# Altium PCB GL3520 4 Ports.PcbDoc (continued)
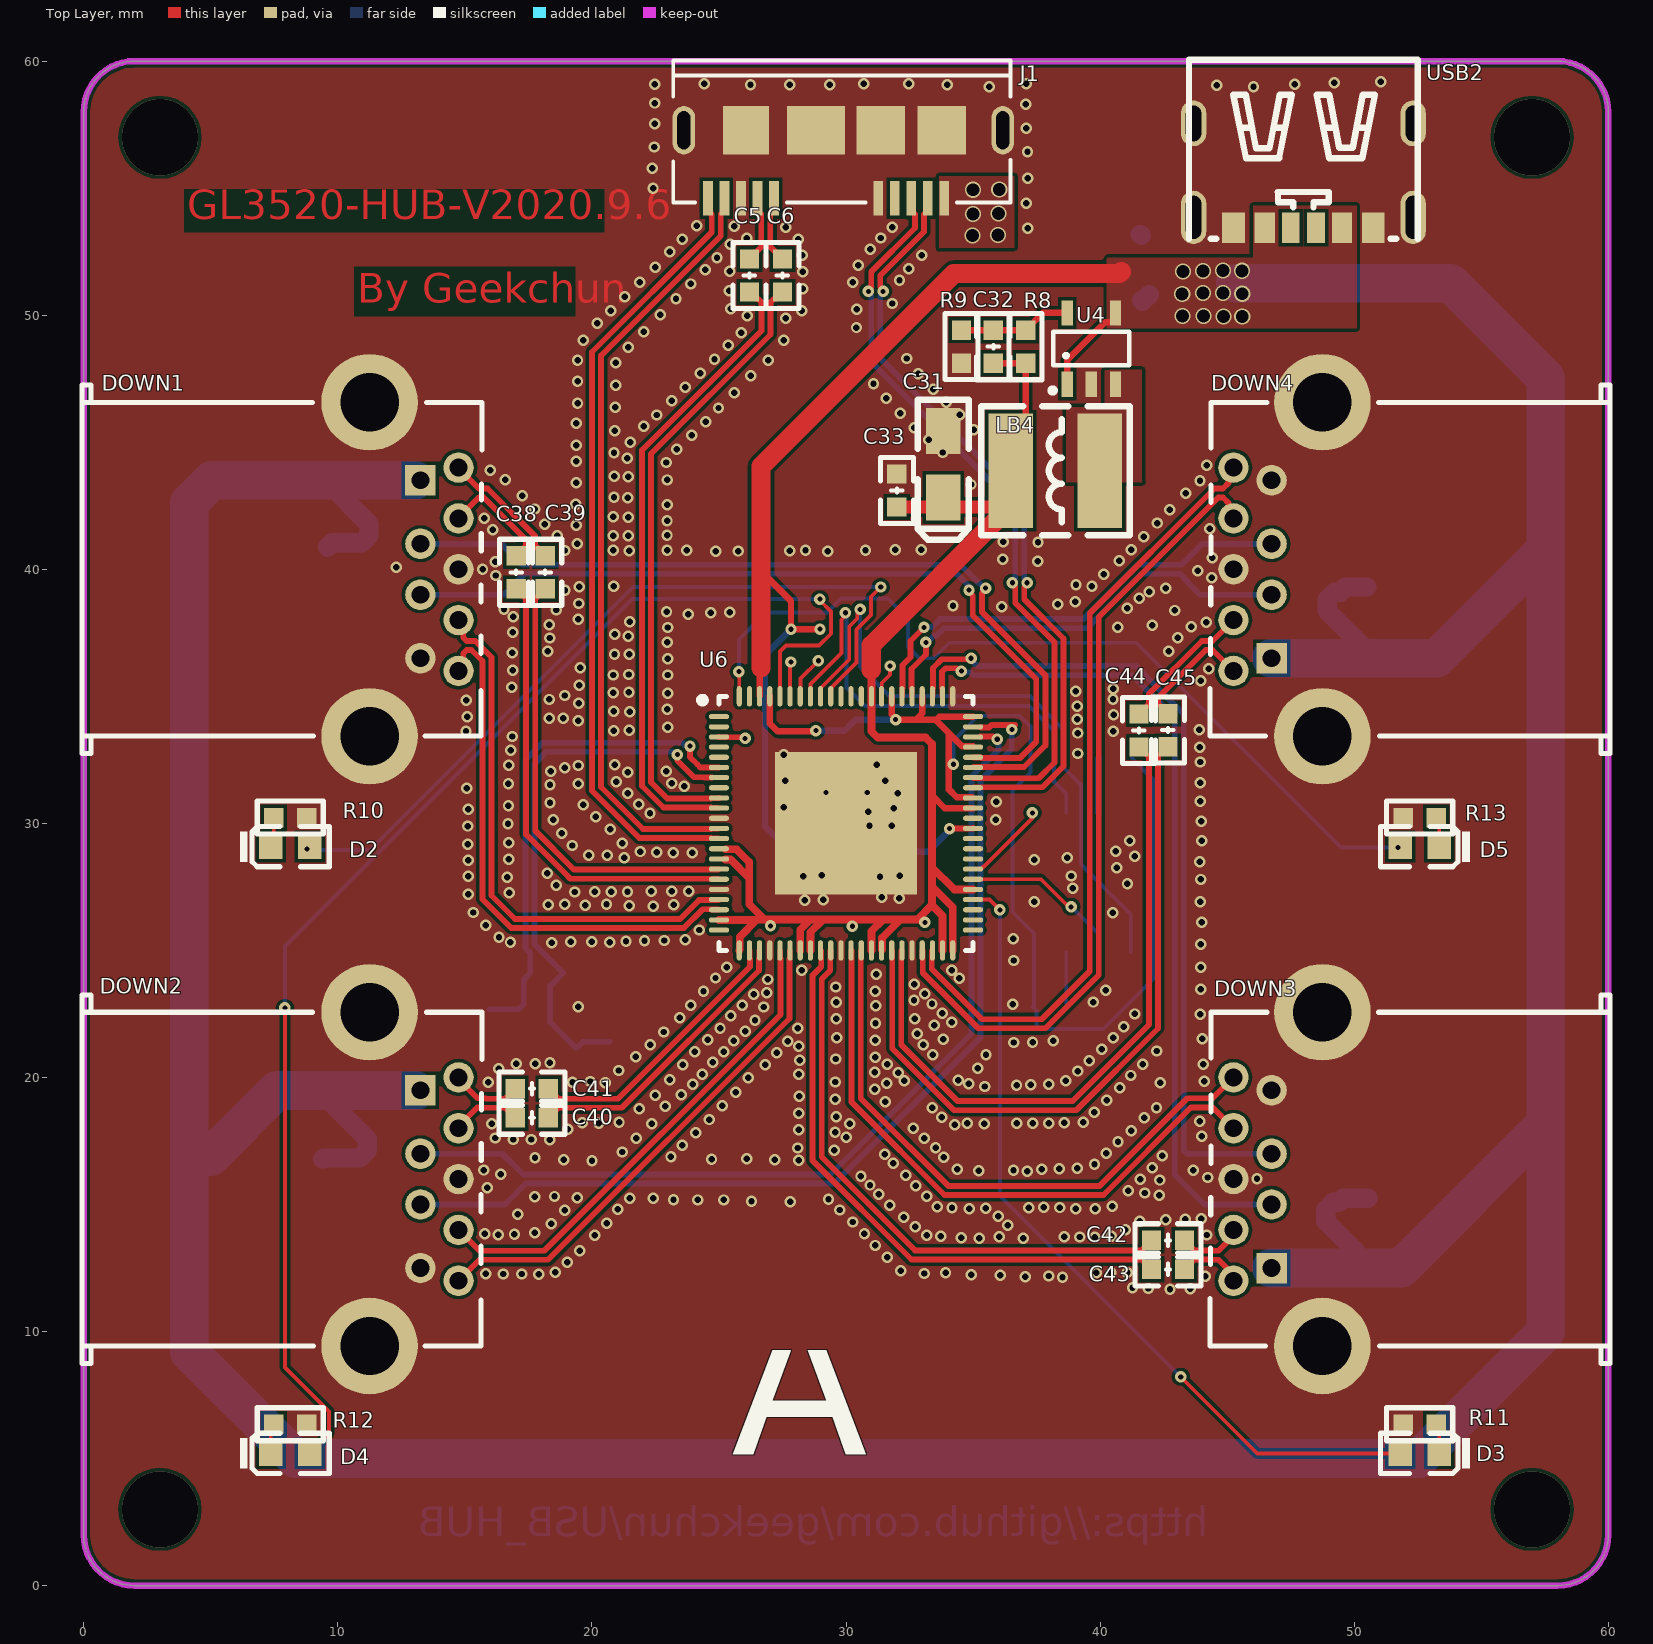
[diagram p0: Top Layer view]
## Part data
C5 C6 C9 C13 C17 C20 C23 C24 C26 C28 C29 C32 C33 C35 C37 C38 C39 C40 C41 C42 C43 C44 C45: library part "0603 2.2uF (225) 10% 16V", "贴片电容", Package=0603, SuppliersPartNumber=C23630, ComponentLink1Description=供应商链接, ComponentLink1URL=http://www.szlcsc.com/product/details_24366.html, Supplier=LC
C12 C25 C31 C34 C36: library part "3216 10uF (106) 10% 16V", "钽电容", Package=3216, SuppliersPartNumber=C7171, ComponentLink1Description=供应商链接, ComponentLink1URL=http://www.szlcsc.com/product/details_7643.html, Supplier=LC
C14 C15: library part "3216 10uF (106) 10% 16V", "钽电容1206", Package=3216, SuppliersPartNumber=C7171, ComponentLink1Description=供应商链接, ComponentLink1URL=http://www.szlcsc.com/product/details_7643.html, Supplier=LC
D1: library part "Diode 1N5400", "3 Amp General Purpose Rectifier", ComponentLink1Description="Manufacturer Link", ComponentLink1URL=http://www.fairchildsemi.com/, ComponentLink2Description=Datasheet, ComponentLink2URL=http://www.fairchildsemi.com/ds/1N%2F1N5400.pdf, DatasheetVersion=1998, LatestRevisionDate=17-Jul-2002, LatestRevisionNote="Re-released for DXP Platform.", PackageDescription="Diode, Axial; Body 9.5 x 5.6 mm (LxDia. max), Lead Dia. 1.32 mm (max)", PackageReference=DO-201AD, PackageVersion=Aug-1999, Published=8-Jun-2000, Publisher="Altium Limited"
D2 D3 D4 D5: library part "0603 蓝灯", "发光二极管", Package=0603, SuppliersPartNumber=C72041, ComponentLink1Description=供应商链接, ComponentLink1URL=http://www.szlcsc.com/product/details_73150.html, Supplier=LC
DOWN1 DOWN2 DOWN3 DOWN4: library part USB3-A_5, PCB Footprint=CND-USB3A-A
F1: Manufacturer="TE Connectivity", PartNumber=NANOSMDC020F-2, Supplier Part Number 1=NANOSMDC020F-2CT-ND, ComponentLink1Description="Datasheet URL", ComponentLink1URL=http://www.te.com/commerce/DocumentDelivery/DDEController?Action=srchrtrv&DocNm=SCD25536&DocType=Customer+Drawing&DocLang=English, CompType=Fuse, LatestRevisionDate=2015-11-23, MountType=SMT, PackageReference=1206, Published=2009-03-05, Publisher="Texas Instruments", RoHS=Y, Rtyp_Ohm=1.875, Supplier 1=Digi-Key, Supplier 2=Mouser, Supplier 3=Farnell, Supplier Part Number 2=650-NANOSMDC020F-2, Supplier Part Number 3=1345939, SymbolCreator=a0412235, SymbolVersion=2013-04-02, VDC_V=24
J1: library part USB-UEB11123-2JK1-4H_0, approval status=PL, Cost=2.45, Date=02042009, Dsc1="CONN USB", Dsc2="SINGLE B TYPE USB 3.0", Dsc3=UEB1112C-2AK1-4H, Dsc4=9PIN, Dsc5="RIGHT ANGLE", Dsc6=DIP, Dsc7=BLUE, Dsc8=FOXCONN, ID=19328, Part Type="DIP CONN", Qualify=YES, QUAN=0, 弧="CONN USB SINGLE B TYPE USB 3.0"
LB4: library part L-0603, PCB Footprint=LBS-0603
R1 R5 R6 R8 R9 R10 R11 R12 R13 R14 R15 R28 R29: library part RES
U4: library part AUR9705_3, PCB Footprint=I-TSOT23-5P-2_9x1_6x0_95A
U8: library part CAT25C128/256, PCB Footprint=I-SOP8-1_27A
USB2: library part TYPE-C-31-M-17, "Connector", Manufacturer_Name="Korean Hroparts Elec", Arrow Part Number=TYPE-C-31-M-17, Datasheet Link=https://datasheet.lcsc.com/szlcsc/1903211732_Korean-Hroparts-Elec-TYPE-C-31-M-17_C283540.pdf, Height=3.26mm, Manufacturer_Part_Number=TYPE-C-31-M-17
Y1: library part "SMD-3225_4P  25MHZ 12PF 10PPM", "贴片晶振", Package=SMD-3225_4P, SuppliersPartNumber=C9006, ComponentLink1Description=供应商链接, ComponentLink1URL=http://www.szlcsc.com/product/details_9526.html, Supplier=LC

## Via types
v1: diameter 0.45, hole 0.254, Top Layer to Bottom Layer, tented both sides, 647 vias
v2: diameter 0.45, hole 0.2, Top Layer to Bottom Layer, tented both sides, 41 vias
v3: diameter 0.635, hole 0.508, Top Layer to Bottom Layer, tented both sides, 18 vias
v4: diameter 3, hole 3, Top Layer to Bottom Layer, 4 vias

## Nets (pads, with @x,y where several pads share a name; then routed paths per layer and width w, separated by ;. In a path a pad name is that pad's centre, name@x,y a point inside that pad or via, vN(x,y) a via of type N, cw(c..) or ccw(c..) an arc to the next point about the centre after c; other vN are vias at no path point)
DP1_DN: DOWN1.2 U6.61 | length 33.4
  Top Layer w0.229: U6.61@35.022,32.222 37.002,32.222 37.846,33.066 37.846,35.829 35.347,38.328 35.347,39.048 35.497,39.198 v2(35.497,39.258)
  Bottom Layer w0.229: DOWN1.2 16.432,41 17.254,40.178 34.503,40.178 35.093,39.588 35.107,39.588 35.437,39.258 v2(35.497,39.258)
DP1_DP: DOWN1.3 U6.62 | length 32.1
  Top Layer w0.229: v2(34.842,39.18) 34.842,39.12 34.991,38.97 34.991,38.181 37.49,35.682 37.49,33.213 36.855,32.578 35.322,32.578 35.314,32.586 U6.62@35.014,32.586
  Bottom Layer w0.229: DOWN1.3 16.536,39 17.358,39.822 34.356,39.822 34.842,39.337 v2(34.842,39.18)
DP1_RXN: DOWN1.5 U6.20 | length 21.2
  Top Layer w0.229: DOWN1.5 14.936,36.186 14.936,36.686 15.072,36.822 15.261,36.822 15.693,36.391 15.693,27.016 16.827,25.883 23.619,25.883 24.359,26.622 24.678,26.622 24.686,26.614 U6.20@24.986,26.614
DP1_RXP: DOWN1.6 U6.19 | length 21.2
  Top Layer w0.229: DOWN1.6 14.936,37.814 14.936,37.314 15.072,37.178 15.409,37.178 16.049,36.538 16.049,27.164 16.974,26.238 23.472,26.238 24.211,26.978 24.678,26.978 24.686,26.986 U6.19@24.986,26.986
DP1_TXN: C38.1 U6.17 | length 18.1
  Top Layer w0.229: C38.1 17.412,38.834 17.412,29.56 18.918,28.054 19.15,27.822 24.678,27.822 24.686,27.814 U6.17@24.986,27.814
DP1_TXP: C39.1 U6.16 | length 17.5
  Top Layer w0.229: C39.1 17.767,38.834 17.767,29.708 19.297,28.178 24.678,28.178 24.686,28.186 U6.16@24.986,28.186
DP2_DN: DOWN2.2 U6.64 | length 37.1
  Top Layer w0.229: U6.64@35.286,33.414 35.314,33.414 35.322,33.422 35.783,33.422 35.894,33.312 v2(35.954,33.312)
  Bottom Layer w0.229: DOWN2.2 16.475,17 17.297,16.178 29.393,16.178 34.943,21.727 34.943,31.844 36.009,32.91 36.009,33.1 35.996,33.113 35.996,33.269 v2(35.954,33.312)
DP2_DP: DOWN2.3 U6.65 | length 39.1
  Top Layer w0.229: U6.65@35.286,33.786 35.314,33.786 35.322,33.778 35.641,33.778 35.74,33.877 36.662,33.877 36.525,33.74 v2(36.525,33.693)
  Bottom Layer w0.229: DOWN2.3 16.575,15 17.397,15.822 29.541,15.822 35.298,21.58 35.298,31.697 36.525,32.923 v2(36.525,33.693)
DP2_RXN: DOWN2.5 U6.28 | length 20
  Top Layer w0.229: DOWN2.5 15.572,12.822 18.276,12.822 27.778,22.324 27.778,24.678 27.786,24.686 U6.28@27.786,24.986
DP2_RXP: DOWN2.6 U6.27 | length 19.4
  Top Layer w0.229: DOWN2.6 15.572,13.178 18.128,13.178 27.422,22.472 27.422,24.678 27.414,24.686 U6.27@27.414,24.986
DP2_TXN: C40.1 U6.25 | length 11.5
  Top Layer w0.229: C40.1 18.682,18.809 21.175,18.809 26.578,24.211 26.578,24.678 26.586,24.686 U6.25@26.586,24.986
DP2_TXP: C41.1 U6.24 | length 10.9
  Top Layer w0.229: C41.1 18.682,19.164 21.028,19.164 26.222,24.359 26.222,24.678 26.214,24.686 U6.24@26.214,24.986
DP3_DN: DOWN3.2 U6.68 | length 33.3
  Top Layer w0.229: U6.68@33.786,35.014 33.786,35.314 33.778,35.322 33.778,35.967 33.912,36.101 34.368,36.101 34.479,35.99 v2(34.539,35.99)
  Bottom Layer w0.229: v2(34.539,35.99) 34.581,35.948 34.903,35.948 35.019,35.832 41.265,35.832 42.939,34.158 42.939,16.164 44.103,15 DOWN3.2
DP3_DP: DOWN3.3 U6.69 | length 32.8
  Top Layer w0.229: U6.69@33.414,35.014 33.414,35.314 33.422,35.322 33.422,36.114 33.764,36.457 34.882,36.457 v2(34.922,36.496)
  Bottom Layer w0.229: v2(34.922,36.496) 34.922,36.436 35.032,36.326 35.032,36.321 35.166,36.187 41.412,36.187 43.294,34.305 43.294,17.134 43.428,17 DOWN3.3
DP3_RXN: DOWN3.5 U6.35 | length 23.7
  Top Layer w0.229: U6.35@30.586,24.986 30.586,24.686 30.578,24.678 30.578,19.176 30.909,18.844 34.021,15.733 39.989,15.733 43.434,19.178 44.428,19.178 DOWN3.5
DP3_RXP: DOWN3.6 U6.34 | length 24.3
  Top Layer w0.229: U6.34@30.214,24.986 30.214,24.686 30.222,24.678 30.222,19.028 30.44,18.811 33.873,15.377 40.137,15.377 43.582,18.822 44.428,18.822 DOWN3.6
DP3_TXN: C42.1 U6.32 | length 22.9
  Top Layer w0.229: U6.32@29.386,24.986 29.386,24.686 29.378,24.678 29.378,24.211 29.042,23.876 29.042,16.873 32.629,13.287 32.72,13.195 41.628,13.195 C42.1
DP3_TXP: C43.1 U6.31 | length 23.5
  Top Layer w0.229: U6.31@29.014,24.986 29.014,24.686 29.022,24.678 29.022,24.359 28.687,24.023 28.687,16.726 32.573,12.84 41.628,12.84 C43.1
DP4_DN: DOWN4.2 U6.71 | length 17.4
  Top Layer w0.229: U6.71@32.586,35.014 32.586,35.314 32.578,35.322 32.578,36.075 33.144,36.642 v2(33.144,37.125)
  Bottom Layer w0.229: v2(33.144,37.125) 33.204,37.125 33.45,37.37 33.547,37.37 33.857,37.681 39.489,37.681 41.631,39.822 43.143,39.822 43.431,39.534 43.431,39.497 43.928,39 DOWN4.2
DP4_DP: DOWN4.3 U6.72 | length 18.1
  Top Layer w0.229: U6.72@32.214,35.014 32.214,35.314 32.222,35.322 32.222,36.223 32.538,36.538 32.538,37.178 v2(33.07,37.71)
  Bottom Layer w0.229: v2(33.07,37.71) 33.086,37.726 33.4,37.726 33.71,38.036 39.342,38.036 41.483,40.178 43.205,40.178 44.028,41 DOWN4.3
DP4_RXN: DOWN4.5 U6.42 | length 30.9
  Top Layer w0.229: U6.42@33.386,24.986 33.386,24.686 33.378,24.678 33.378,24.265 33.988,23.655 35.352,22.291 37.701,22.291 39.591,24.181 39.591,38.265 44.504,43.178 44.84,43.178 45.064,43.402 45.064,43.814 DOWN4.5
DP4_RXP: DOWN4.6 U6.41 | length 31.5
  Top Layer w0.229: U6.41@33.014,24.986 33.014,24.686 33.022,24.678 33.022,24.118 33.847,23.293 35.204,21.935 37.849,21.935 39.947,24.034 39.947,38.118 44.651,42.822 44.84,42.822 45.064,42.598 45.064,42.186 DOWN4.6
DP4_TXN: C44.1 U6.39 | length 26.7
  Top Layer w0.229: U6.39@32.186,24.986 32.186,24.686 32.178,24.678 32.178,21.289 34.399,19.068 38.913,19.068 41.923,22.078 41.923,27.718 41.926,27.721 41.926,32.608 C44.1
DP4_TXP: C45.1 U6.38 | length 27.9
  Top Layer w0.229: U6.38@31.814,24.986 31.814,24.686 31.822,24.678 31.822,21.142 34.252,18.712 39.06,18.712 42.278,21.93 42.278,27.57 42.281,27.573 42.281,32.629 C45.1
GND: C9.1 C12.2 C13.1 C14.2 C15.2 C17.1 C20.1 C23.1 C24.1 C25.2 C26.1 C28.1 C29.1 C31.2 C33.1 C34.2 C35.1 C36.2 C37.1 DOWN1.4 DOWN1.7 DOWN1.G1 DOWN1.G2 DOWN2.4 DOWN2.7 DOWN2.G1 DOWN2.G2 DOWN3.4 DOWN3.7 DOWN3.G1 DOWN3.G2 DOWN4.4 DOWN4.7 DOWN4.G1 DOWN4.G2 J1.5 J1.8 J1.G1 J1.G2 J1.G3 J1.G4 J1.G5 J1.G6 R9.2 R10.1 R11.1 R12.1 R13.1 R28.2 R29.2 U4.2 U6.11 U6.18 U6.26 U6.33 U6.40 U6.67 U6.G1 U8.4 USB2.A12 USB2.B12 USB2.MH1 USB2.MH2 USB2.MH3 USB2.MH4 Y1.2 Y1.4
  other v1: 42.751,11.67 41.9,11.693 43.551,11.688 41.276,11.721 38.52,12.13 37.059,12.16 44.133,12.173 37.974,12.186 36.069,12.211 17.905,12.254 34.931,12.234 15.824,12.276 16.516,12.264 17.24,12.264 33.076,12.285 39.845,12.306 18.565,12.329 33.917,12.31 40.43,12.313 41.072,12.323 32.16,12.384 19.035,12.728 31.616,12.927 19.52,13.185 31.149,13.387 35.241,13.677 36.983,13.666 34.534,13.687 36.032,13.726 38.591,13.725 39.193,13.72 39.785,13.705 33.734,13.743 40.442,13.743 20.104,13.785 33.17,13.793 44.199,13.798 16.312,13.812 16.953,13.826 15.778,13.846 30.727,13.844 17.754,13.892 40.999,14.007 32.728,14.124 36.358,14.177 18.395,14.243 20.589,14.254 30.26,14.312 41.563,14.345 42.586,14.406 43.353,14.423 43.988,14.433 32.274,14.489 35.99,14.545 17.085,14.624 18.939,14.774 29.746,14.783 21.016,14.808 34.847,14.835 39.045,14.84 39.818,14.84 34.171,14.868 35.5,14.853 37.196,14.867 37.783,14.891 38.413,14.881 33.597,14.919 40.47,14.926 31.728,14.975 27.808,15.102 26.281,15.133 23.211,15.194 24.174,15.178 25.182,15.178 29.312,15.204 21.486,15.25 22.416,15.239 19.419,15.269 17.744,15.3 18.528,15.316 33.183,15.32 42.322,15.361 31.286,15.401 41.761,15.452 41.105,15.546 15.886,15.66 32.749,15.739 30.945,15.766 42.355,15.963 41.583,16.001 46.175,16.015 44.242,16.062 30.589,16.109 32.345,16.145 16.406,16.184 37.13,16.316 35.232,16.33 15.743,16.356 36.592,16.351 43.666,16.349 34.387,16.383 37.704,16.387 38.388,16.415 39.096,16.432 42.047,16.449 39.78,16.577 31.867,16.62 20.003,16.714 28.136,16.745 18.897,16.76 27.199,16.768 24.708,16.783 26.098,16.798 17.76,16.837 23.111,16.876 33.854,16.864 42.446,16.919 31.519,16.979 40.249,17.013 21.199,17.065 29.543,17.139 28.101,17.222 33.523,17.233 23.553,17.33 40.704,17.464 16.902,17.558 17.621,17.558 18.339,17.542 21.743,17.608 33.084,17.598 16.198,17.616 30.003,17.654 44.009,17.685 24.094,17.816 29.568,17.849 41.225,17.896 19.043,17.969 28.136,17.949 32.652,17.995 34.283,18.137 35.436,18.17 16.051,18.175 22.353,18.185 30.148,18.183 37.354,18.198 19.614,18.218 20.275,18.203 34.776,18.205 36.719,18.205 37.986,18.205 38.586,18.223 21.067,18.233 39.332,18.233 43.925,18.282 24.62,18.344 41.735,18.416 33.772,18.434 29.62,18.457 28.136,18.591 39.772,18.637 21.86,18.762 33.386,18.812 42.22,18.812 22.893,18.86 25.136,18.891 31.547,19.044 40.262,19.107 29.584,19.138 28.154,19.262 22.49,19.303 23.516,19.323 25.665,19.42 31.126,19.529 40.776,19.592 35.454,19.643 36.711,19.689 37.265,19.719 23.963,19.729 37.979,19.727 31.61,19.763 34.834,19.755 20.533,19.794 42.375,19.795 15.919,19.803 19.235,19.817 29.569,19.821 19.926,19.84 44.105,19.851 32.297,19.877 34.412,19.887 38.647,19.877 23.061,19.911 26.147,19.988 41.204,20.077 24.349,20.123 28.146,20.128 31.126,20.202 32.052,20.19 39.117,20.253 21.062,20.273 16.33,20.344 35.182,20.367 23.577,20.491 26.818,20.502 31.618,20.519 41.682,20.517 44.052,20.517 17.029,20.537 17.765,20.547 18.35,20.57 24.76,20.59 39.566,20.656 28.177,20.682 29.602,20.725 21.728,20.811 31.154,20.794 33.422,20.89 35.51,20.9 27.275,20.971 24.047,21.004 25.187,21.017 42.225,21.041 40.064,21.116 28.139,21.233 22.302,21.294 33.043,21.289 36.599,21.375 37.341,21.383 25.589,21.446 27.702,21.429 31.153,21.459 38.156,21.452 24.56,21.49 33.831,21.507 44.026,21.528 29.637,21.563 40.524,21.558 32.807,21.716 22.83,21.789 26.03,21.822 25.042,21.944 28.101,21.942 40.938,21.99 33.47,22.048 31.161,22.13 34.153,22.17 26.419,22.254 29.62,22.313 32.711,22.305 23.463,22.351 25.469,22.424 41.37,22.498 43.937,22.495 33.783,22.531 19.454,22.788 26.767,22.772 23.887,22.846 25.914,22.836 31.179,22.823 33.384,22.892 36.561,22.882 29.62,22.963 39.739,22.968 32.677,23.035 26.366,23.268 33.099,23.29 26.884,23.331 24.392,23.384 31.144,23.387 40.224,23.433 43.96,23.468 29.602,23.56 32.685,23.663 26.916,23.856 24.865,23.913 34.46,23.909 31.187,24.055 28.25,24.215 34.155,24.221 25.312,24.339 43.96,24.339 36.599,24.602 43.96,25.239 18.42,25.298 16.795,25.322 20.704,25.324 19.169,25.344 20,25.344 21.341,25.362 22.07,25.38 22.855,25.39 23.67,25.418 36.589,25.451 16.343,25.521 24.23,25.803 15.825,25.993 43.998,26.11 15.327,26.491 40.498,26.486 21.466,26.755 22.421,26.745 19.739,26.773 18.286,26.793 23.221,26.801 18.939,26.81 20.575,26.811 37.417,26.914 43.935,26.918 28.372,26.977 29.106,26.993 32.103,27.054 31.399,27.099 15.129,27.215 16.744,27.271 19.325,27.299 20.107,27.306 20.768,27.306 21.4,27.306 22.33,27.334 23.148,27.334 23.818,27.334 38.924,27.454 18.598,27.563 41.077,27.624 43.96,27.791 16.671,27.875 31.339,27.894 15.136,27.921 28.326,27.91 32.118,27.941 38.857,27.929 29.045,27.955 18.24,28.033 40.651,28.251 43.922,28.495 15.129,28.556 37.409,28.572 16.726,28.591 21.272,28.654 38.705,28.65 41.37,28.706 19.87,28.737 20.607,28.748 23.953,28.835 23.193,28.848 21.898,28.891 22.556,28.868 40.62,28.896 19.23,29.129 15.119,29.176 21.194,29.209 16.734,29.244 41.174,29.315 43.998,29.315 18.814,29.603 20.722,29.77 15.119,29.894 30.924,29.898 31.798,29.914 16.699,29.981 43.973,30.082 18.471,30.15 35.893,30.14 20.15,30.265 22.287,30.405 30.88,30.464 15.136,30.56 31.874,30.602 27.546,30.632 16.716,30.687 19.655,30.738 21.845,30.756 18.351,30.815 35.908,30.858 43.948,30.865 21.415,31.177 32.042,31.184 15.073,31.38 23.642,31.466 18.351,31.515 16.716,31.551 19.467,31.551 23.142,31.582 43.948,31.606 20.95,31.642 27.607,31.671 31.553,31.672 21.403,32.015 18.374,32.05 22.929,32.053 18.935,32.182 16.728,32.288 19.467,32.277 20.905,32.31 31.217,32.299 43.948,32.414 27.546,32.695 39.114,32.749 16.81,32.878 43.922,32.998 16.858,33.419 39.124,33.555 15.045,33.621 40.518,33.618 20.857,33.651 21.471,33.659 43.894,33.689 22.977,33.778 19.467,34.045 39.094,34.101 18.324,34.131 18.877,34.13 15.091,34.187 40.529,34.268 21.481,34.395 20.867,34.413 22.957,34.489 39.104,34.604 19.48,34.728 15.055,34.842 18.314,34.875 40.508,34.886 18.935,35.031 22.977,35.117 20.846,35.142 21.458,35.155 39.051,35.201 40.519,35.305 16.846,35.363 19.5,35.432 43.965,35.618 20.836,35.839 22.977,35.838 21.448,35.858 16.881,36.034 44.273,36.087 19.535,36.129 22.977,36.483 20.89,36.653 21.471,36.664 16.864,36.722 18.261,36.768 42.706,36.773 22.957,37.128 18.336,37.295 43.059,37.301 21.436,37.367 20.902,37.448 16.881,37.522 22.985,37.708 40.696,37.713 43.587,37.73 42.05,37.791 18.324,37.824 21.494,37.934 44.184,37.918 19.457,38.025 16.909,38.137 23.785,38.231 24.669,38.28 25.426,38.305 22.937,38.325 42.942,38.378 18.591,38.396 16.541,38.431 41.072,38.467 36.122,38.525 34.211,38.565 38.327,38.63 19.49,38.652 39.03,38.718 41.545,38.856 41.931,39.107 18.941,39.176 42.591,39.254 19.5,39.31 20.867,39.331 39.68,39.325 39.052,39.388 44.392,39.673 16.221,39.755 40.15,39.808 43.838,39.935 15.695,40.001 12.304,40.082 16.201,40.296 37.539,40.311 40.757,40.331 36.163,40.402 44.415,40.458 21.471,40.722 24.882,40.705 25.754,40.717 29.289,40.704 18.929,40.738 20.836,40.747 22.957,40.742 27.788,40.73 28.405,40.743 23.734,40.756 30.768,40.756 31.941,40.767 32.963,40.767 41.23,40.761 19.423,40.998 36.19,41.081 37.557,41.063 41.723,41.274 18.634,41.322 20.846,41.318 21.428,41.319 22.957,41.344 16.091,41.563 44.308,41.599 19.39,41.735 18.146,41.774 42.246,41.819 22.957,41.905 15.769,42.005 21.436,42.044 20.846,42.064 42.739,42.343 17.744,42.372 19.368,42.554 22.965,42.534 21.418,42.818 20.869,42.842 17.257,42.885 43.376,42.993 34.92,43.336 19.378,43.4 43.932,43.485 16.597,43.519 22.965,43.514 21.436,43.638 20.879,43.666 16,43.897 44.204,44.093 22.924,44.202 19.378,44.245 21.39,44.367 20.869,44.577 33.816,44.596 23.333,44.72 19.378,44.883 21.504,44.997 33.264,45.094 23.935,45.279 20.902,45.451 35.022,45.493 32.693,45.574 22.048,45.63 19.391,45.752 24.484,45.797 22.558,46.072 34.479,46.079 32.132,46.135 24.981,46.346 20.925,46.37 19.434,46.542 33.948,46.58 23.135,46.628 31.58,46.732 25.594,46.94 33.44,47.088 23.678,47.172 20.935,47.25 31.083,47.293 19.434,47.4 26.251,47.608 32.838,47.692 24.258,47.715 20.935,48.134 26.94,48.221 19.434,48.223 24.824,48.271 32.383,48.294 21.438,48.741 25.368,48.815 27.547,49.005 19.655,49.016 25.878,49.303 22.033,49.346 30.412,49.513 20.204,49.676 27.626,49.877 26.114,49.983 22.693,50.016 20.744,50.175 28.261,50.171 25.459,50.247 30.42,50.237 31.826,50.46 23.31,50.644 21.291,50.73 25.403,50.954 28.306,51.032 23.892,51.228 21.883,51.289 30.267,51.297 32.106,51.37 25.428,51.722 28.306,51.713 24.463,51.787 32.477,51.832 22.492,51.886 30.475,51.957 24.923,52.257 28.283,52.352 32.975,52.356 23.056,52.49 30.956,52.602 25.439,52.785 23.559,52.981 28.113,52.993 26.086,53.02 31.372,53.036 37.158,53.426 31.824,53.453 27.633,53.466 25.596,53.497 24.123,53.527 37.102,54.397 22.405,54.988 37.158,55.382 22.377,55.789 37.142,56.436 22.449,56.619 37.087,57.351 22.476,57.534 37.074,58.306 22.476,58.349 35.644,58.994 46.038,58.994 29.355,59.06 33.993,59.06 44.587,59.052 22.476,59.08 26.241,59.073 27.783,59.073 47.658,59.08 24.43,59.101 30.698,59.116 32.466,59.116 37.102,59.108 49.207,59.152 51.041,59.195
  other v2: 29.213,31.212 30.836,31.212
NetC5_2: C5.2 J1.7 | length 2.6
  Top Layer w0.229: C5.2 26.666,52.678 26.666,53.972 26.519,54.119 J1.7
NetC6_2: C6.2 J1.6 | length 2.6
  Top Layer w0.229: J1.6 27.169,54.119 27.022,53.972 27.022,52.69 C6.2
NetC32_1: C32.1 R8.2 R9.1 U4.5 | length 4.4
  Top Layer w0.254: R9.1 37.066,49.413 R8.2 37.745,50.087 U4.5
NetC38_2: C38.2 DOWN1.8 | length 4.5
  Top Layer w0.229: DOWN1.8 14.75,42.022 15.55,42.822 15.74,42.822 17.412,41.15 17.412,40.922 C38.2
NetC39_2: C39.2 DOWN1.9 | length 5.1
  Top Layer w0.229: DOWN1.9 14.75,43.978 15.55,43.178 15.887,43.178 17.767,41.298 17.767,40.922 C39.2
NetC40_2: C40.2 DOWN2.8 | length 2.8
  Top Layer w0.229: DOWN2.8 14.75,18.077 15.495,18.822 15.684,18.822 15.698,18.809 16.594,18.809 C40.2
NetC41_2: C41.2 DOWN2.9 | length 2.8
  Top Layer w0.229: DOWN2.9 14.75,19.923 15.495,19.178 15.832,19.178 15.845,19.164 16.594,19.164 C41.2
NetC42_2: C42.2 DOWN3.8 | length 2.6
  Top Layer w0.229: C42.2 43.716,13.195 44.455,13.195 44.472,13.178 44.662,13.178 45.25,13.766 DOWN3.8
NetC43_2: C43.2 DOWN3.9 | length 2.6
  Top Layer w0.229: C43.2 43.716,12.84 44.308,12.84 44.325,12.822 44.662,12.822 45.25,12.234 DOWN3.9
NetC44_2: C44.2 DOWN4.8 | length 5.5
  Top Layer w0.229: C44.2 41.92,34.695 41.92,35.09 44.008,37.178 44.428,37.178 DOWN4.8
NetC45_2: C45.2 DOWN4.9 | length 4.9
  Top Layer w0.229: C45.2 42.275,34.717 42.275,34.942 44.155,36.822 44.428,36.822 DOWN4.9
NetD1_1: D1.1 F1.2
NetD2_K: D2.K R10.2 | length 1.2
  Top Layer w0.152: D2.K 7.478,29.203 R10.2
NetD3_K: D3.K R11.2 | length 1.2
  Top Layer w0.152: R11.2 53.348,6.23 D3.K
NetD4_K: D4.K R12.2 | length 1.2
  Top Layer w0.152: D4.K 7.358,6.23 R12.2
NetD5_K: D5.K R13.2 | length 1.2
  Top Layer w0.152: R13.2 53.348,30.106 D5.K
NetLB4_1: LB4.1 U4.3
NetR14_2: R14.2 U8.3 | length 2.1
  Bottom Layer w0.254: U8.3 39.936,32.562 R14.2
NetR15_1: R15.1 U8.7 | length 2.2
  Bottom Layer w0.152: R15.1 38.666,22.784 U8.7
PGANG: R28.1 U6.74 | length 1.3
  Top Layer w0.152: U6.74 31.409,35.009 31.409,35.524 31.732,35.847 31.732,36.191 v2(31.734,36.192)
PGREEN1: D2.A U6.79 | length 31.9
  Top Layer w0.152: U6.79 29.4,35.313 29.424,35.337 29.424,35.353 30.406,36.335 30.406,37.63 30.982,38.206 30.982,38.917 v2(31.366,39.301)
  Bottom Layer w0.152: v2@8.89,28.953 11.262,28.953 21.61,39.301 v2(31.366,39.301)
  other v2: 8.785,28.987
PGREEN2: D4.A U6.84 | length 53.3
  Top Layer w0.152: v2(7.92,22.736) 7.92,8.585 9.649,6.855 9.649,5.983 8.898,5.232 D4.A ; U6.84 27.4,36.757 27.643,37 28.943,37 29.406,37.463 29.406,38.343 28.969,38.781 v2(28.969,38.824)
  Bottom Layer w0.152: v2(7.92,22.736) 7.92,25.171 21.572,38.824 v2(28.969,38.824)
PGREEN3: D3.A U6.48 | length 32.4
  Top Layer w0.152: U6.48 35.649,27 v2(36.054,26.595) ; v2(43.175,8.217) 46.185,5.207 D3.A
  Bottom Layer w0.152: v2(36.054,26.595) 36.054,15.338 v2(43.175,8.217)
PGREEN4: D5.A U6.88 | length 34.1
  Top Layer w0.152: v2(25.786,35.971) 25.8,35.958 U6.88
  Bottom Layer w0.152: v2(25.786,35.971) 25.786,37.239 26.848,38.301 29.253,38.301 29.804,38.852 31.643,38.852 32.443,38.052 32.443,36.943 32.889,36.497 33.454,36.497 34.064,37.107 41.415,37.107 49.477,29.045 v2(51.725,29.045)
PSELF: R1.2 U6.82 | length 1.7
  Top Layer w0.152: U6.82 28.209,35.009 28.209,35.696 v2(28.912,36.399)
RESET: R5.1 U6.83 | length 1.4
  Top Layer w0.152: U6.83 27.8,36.322 v2(27.828,36.35)
RTERM: R29.1 U6.3 | length 1.1
  Top Layer w0.229: U6.3 25.014,33.386 25.992,33.386 v2(26.033,33.345)
SPI_CLK: U6.50 U8.6 | length 6.6
  Top Layer w0.152: U6.50 37.679,27.8 38.765,26.713 v2(38.859,26.713)
  Bottom Layer w0.152: v2(38.859,26.713) 38.879,26.713 39.936,25.656 U8.6
SPI_CZ: U6.51 U8.1 | length 3.4
  Top Layer w0.152: U6.51 35.313,28.2 35.41,28.297 35.426,28.297 37.333,30.204 37.333,30.396 37.338,30.401 v2(37.338,30.414)
SPI_DI: U6.81 U8.2 | length 19.1
  Top Layer w0.152: U6.81 28.6,35.481 29.82,36.701 29.82,38.011 29.976,38.167 v2(29.976,38.288)
  Bottom Layer w0.152: v2(29.976,38.288) 30.016,38.247 30.016,35.341 30.737,34.62 37.206,34.62 38.191,33.635 38.191,31.651 38.666,31.176 U8.2
SPI_DO: U6.80 U8.5 | length 25.2
  Top Layer w0.152: U6.80 29,35.313 29.024,35.337 29.024,35.353 30.127,36.456 30.127,37.746 30.444,38.063 30.444,38.334 30.534,38.424 v2(30.554,38.424)
  Bottom Layer w0.152: v2(30.554,38.424) 30.554,36.167 31.712,35.009 37.239,35.009 38.588,33.66 38.588,32.167 39.242,31.513 39.242,28.383 41.206,26.419 U8.5
UP_DN: J1.2 U6.59 | length 30.2
  Top Layer w0.229: v2(31.458,50.937) 31.458,50.997 31.347,51.108 31.347,51.558 33.072,53.283 33.072,53.972 33.219,54.119 J1.2 ; U6.59@35.022,31.422 37.729,31.422 38.557,32.25 38.557,37.277 37.015,38.819 37.015,39.298 37.126,39.409 v2(37.126,39.469)
  Bottom Layer w0.229: v2(31.458,50.937) 31.458,50.877 31.347,50.767 31.347,48.3 37.015,42.632 37.015,39.64 37.126,39.529 v2(37.126,39.469)
UP_DP: J1.3 U6.60 | length 29.6
  Top Layer w0.229: v2(30.881,50.937) 30.881,50.997 30.992,51.108 30.992,51.705 32.716,53.43 32.716,53.972 32.569,54.119 J1.3 ; U6.60@35.014,31.786 35.314,31.786 35.322,31.778 37.582,31.778 38.202,32.398 38.202,37.13 36.66,38.671 36.66,39.298 36.549,39.409 v2(36.549,39.469)
  Bottom Layer w0.229: v2(30.881,50.937) 30.881,50.877 30.992,50.767 30.992,48.153 36.66,42.485 36.66,39.64 36.549,39.529 v2(36.549,39.469)
UP_RXN: J1.9 U6.12 | length 30.5
  Top Layer w0.229: U6.12@24.986,29.786 24.686,29.786 24.678,29.778 22.013,29.778 20.361,31.43 20.361,48.407 25.072,53.118 25.072,53.972 25.219,54.119 J1.9
UP_RXP: J1.10 U6.13 | length 31.1
  Top Layer w0.229: J1.10 24.569,54.119 24.716,53.972 24.716,53.266 20.005,48.555 20.005,31.283 21.866,29.422 24.678,29.422 24.686,29.414 U6.13@24.986,29.414
UP_TXN: C6.1 U6.9 | length 24.4
  Top Layer w0.229: U6.9 24.986,30.986 24.686,30.986 24.678,30.978 22.964,30.978 22.327,31.615 22.327,44.541 27.028,49.243 27.028,50.511 27.162,50.645 27.233,50.645 C6.1
UP_TXP: C5.1 U6.10 | length 25
  Top Layer w0.229: U6.10@24.986,30.614 24.686,30.614 24.678,30.622 22.817,30.622 21.971,31.468 21.971,44.689 26.672,49.39 26.672,50.511 26.538,50.645 26.467,50.645 C5.1
VCC: C12.1 C13.2 C14.1 C17.2 C25.1 C26.2 C34.1 C35.2 C36.1 C37.2 D1.2 DOWN1.1 DOWN2.1 DOWN3.1 DOWN4.1 R1.1 R5.2 U4.1 U4.4 U6.55 U6.86 USB2.A9 USB2.B9 | length 257.4
  Top Layer w0.254: U6.86@26.614,35.014 26.614,36.073 26.654,36.113 ; 26.654,39.66 26.927,39.66 27.835,38.751 v2(27.835,37.641) v2(28.978,37.641) ; v2(34.074,29.794) 34.077,29.797 34.997,29.797 U6.55 ; U4.1 38.707,48.235 40.186,49.714 40.509,49.714 40.607,49.812 U4.4
  Top Layer w0.762: 26.654,36.113 26.654,39.66 26.654,44.048 34.247,51.641 40.762,51.641 40.833,51.712
  Bottom Layer w0.254: v2(27.835,37.641) 26.812,36.618 26.812,29.891 27.813,28.89 33.238,28.89 34.074,29.726 v2(34.074,29.794)
  Bottom Layer w0.762: C26.2 9.445,16.829 10.867,16.829 11.161,17.123 C25.1 11.161,17.573 9.649,19.084 9.649,19.487 ; C13.2 9.773,41.037 10.935,41.037 11.229,41.331 C12.1 11.229,41.781 9.601,43.409 9.601,43.5 ; C14.1 C14.1@41.628,53.133 ; D1.2@41.628,50.588 D1.2 D1.2@41.939,50.815 ; 50.061,12.5 50.061,13.161 48.882,14.34 C34.1 48.882,14.79 49.176,15.084 49.401,15.084 49.56,15.243 C35.2 ; C37.2 49.664,39.302 49.462,39.1 49.237,39.1 48.943,38.806 C36.1 48.943,38.356 50.518,36.781 50.518,36.5
  Bottom Layer w1.524: DOWN1.1@13.051,43.5 9.601,43.5 5.046,43.5 4.153,42.607 4.153,16.888 ; DOWN2.1@13.056,19.487 9.649,19.487 7.592,19.487 4.994,16.888 4.153,16.888 ; 45.326,51.26 53.795,51.26 57.541,47.513 57.541,40.792 ; DOWN3.1 50.061,12.5 51.85,12.5 57.541,18.191 ; DOWN4.1 50.518,36.5 53.249,36.5 57.541,40.792 ; 4.153,16.888 4.153,9.195 8.344,5.004 52.558,5.004 57.541,9.987 57.541,18.191 ; 57.541,18.191 57.541,40.792
  other v3: 45.594,49.943 43.241,49.962 44.072,49.962 44.851,49.952 43.231,50.833 45.596,50.844 44.051,50.874 44.841,50.874 43.256,51.725 44.056,51.736 45.583,51.746 44.831,51.755
VD12: C9.2 C23.2 C24.2 C31.1 C32.2 C33.2 LB4.2 R8.1 U6.14 U6.15 U6.21 U6.23 U6.29 U6.30 U6.36 U6.37 U6.43 U6.44 U6.49 U6.57 U6.75 | length 61
  Top Layer w0.254: 33.381,31.105 33.886,30.6 U6.57 ; LB4.2@35.767,42.449 LB4.2@36.49,43.171 ; C32.2 R8.1 37.069,44.656 LB4.2@36.5,44.087
  Top Layer w0.305: U6.21 26.492,26.2 ; U6.15@25.248,28.579 25.457,28.579 26.19,27.847 ; U6.14@25.248,28.979 25.687,28.979 26.19,28.476 26.19,27.847 ; U6.23 25.821,25.021 25.821,25.529 26.492,26.2 ; U6.29 28.2,25.812 28.6,26.213 ; U6.30 28.6,25.715 29.098,26.213 ; U6.36 31,25.747 31.466,26.213 ; 31,36.011 U6.75 31,33.623 31.247,33.376 33.142,33.376 33.381,33.137 33.381,31.105 33.381,28.275 ; 30.999,36.012 30.999,36.043 ; U6.37@31.421,25.021 31.421,25.496 32.137,26.213 ; U6.43 33.8,26.365 33.381,26.784 ; U6.44 34.2,26.699 33.381,27.518 ; U6.49 34.256,27.4 33.381,28.275 ; LB4.2@35.767,42.449 LB4.2@36.438,42.449 ; 26.19,27.847 26.19,26.822 26.8,26.213 ; 26.492,26.2 26.505,26.213 26.8,26.213 ; 26.8,26.213 28.6,26.213 ; 28.6,26.213 29.098,26.213 ; 29.098,26.213 31.466,26.213 ; 31.466,26.213 32.137,26.213 ; 32.137,26.213 32.809,26.213 33.381,26.784 ; 33.381,26.784 33.381,27.518 ; 33.381,27.518 33.381,28.275
  Top Layer w0.508: C33.2 33.823,42.449 LB4.2@35.767,42.449
  Top Layer w0.762: 30.999,36.043 31.001,36.044 31.001,37.012 LB4.2@36.438,42.449 ; LB4.2@36.49,43.171 LB4.2
  other v2: 27.03,25.962 30.253,25.949 33.108,26.104
VD33: C15.1 C20.2 R14.1 R15.2 U6.58 U6.63 U6.66 U6.70 U6.73 U6.85 U8.8 | length 48.9
  Top Layer w0.254: U6.85 27,33.93 27.313,33.617 v2@28.918,33.617 ; U6.73 31.8,34.285 31.915,34.17 31.915,34.117 v2(31.952,34.08) 32.751,34.08 ; U6.70 33,34.329 32.751,34.08 ; U6.58@34.973,31.027 34.355,31.027 34.051,31.331 34.051,33.548 34.346,33.253 ; U6.63@35,33.027 34.572,33.027 34.346,33.253 ; U6.66 33.67,34.2 33.55,34.08 33.52,34.08 ; 32.751,34.08 33.52,34.08 ; 33.52,34.08 34.346,33.253
  Bottom Layer w0.152: C20.2 C20.2@34.129,32.383 ; v2(34.227,32.327) 34.227,33.259 35.204,34.237 36.825,34.237 37.257,33.805 37.257,31.995 36.553,31.292 36.553,26.519 37.396,25.676 U8.8 37.396,22.814 R15.2 37.498,22.637 37.498,22.051 37.647,21.902 40.124,21.902 42.108,23.886 42.108,31.707 R14.1
  Bottom Layer w0.254: v2(28.813,33.651) 29.952,33.651 30.386,34.084 32.019,34.084 32.024,34.08 v2(31.952,34.08)
VMAIN: F1.1 J1.1
  other v3: 34.981,53.134 35.982,53.149 34.999,53.985 36.005,54.003 34.999,54.935 36.03,54.945
X1: C28.2 R6.1 U6.6 Y1.1 | length 19.8
  Top Layer w0.229: v2(23.861,33.04) 23.861,32.605 24.154,32.312 24.156,32.312 24.268,32.2 U6.6
  Bottom Layer w0.229: C28.2 17.126,22.683 Y1.1 17.316,23.849 R6.1 17.573,24.904 17.381,25.096 17.381,32.492 18.06,33.171 23.554,33.171 23.642,33.083 23.818,33.083 v2(23.861,33.04)
X2: C29.2 R6.2 U6.7 Y1.3 | length 21.5
  Top Layer w0.229: v2(23.36,32.705) 23.36,32.469 24.015,31.814 24.171,31.814 24.173,31.812 24.426,31.812 24.438,31.8 U6.7@24.713,31.8
  Bottom Layer w0.229: C29.2 19.646,21.403 Y1.3 19.366,21.173 18.354,22.184 18.354,23.63 18.396,23.63 R6.2 17.737,25.243 17.737,32.345 18.207,32.816 23.19,32.816 23.3,32.705 v2(23.36,32.705)
pads on no net: J1.4 U6.1 U6.2 U6.4 U6.5 U6.8 U6.22 U6.45 U6.46 U6.47 U6.52 U6.53 U6.54 U6.56 U6.76 U6.77 U6.78 U6.87 USB2.A5 USB2.B5
copper on no net:
  other v4: 3,3 57,3 3,57 57,57

## Polygon pours and split planes (outlines as drawn)
GND on Top Layer "GND_L01_P006" (solid, remove dead copper, pour order 6): -3.35,63.378 68.344,63.378 68.344,-6.408 68.491,-6.556 68.346,-6.701 -3.35,-6.701 -3.35,62.789 -3.645,63.083
NetLB4_1 on Top Layer "NETLB4_1_L01_P005" (solid, remove dead copper, pour order 5): 40.368,47.843 41.638,47.843 41.638,43.447 41.659,43.426 38.672,43.426 38.672,46.38 38.682,46.391 38.702,46.37 40.185,46.37 40.185,47.813 40.206,47.833
VCC on Top Layer "VCC_L01_P003" (solid, remove dead copper, pour order 3): 46.025,54.308 46.025,52.25 40.292,52.25 40.272,52.23 40.272,49.482 50.091,49.477 50.091,54.308
VMAIN on Top Layer "VMAIN_L01_P000" (solid, remove dead copper, pour order 0): 33.665,55.463 33.665,52.639 36.619,52.647 36.619,55.463
GND on Bottom Layer "GND_L02_P007" (solid, remove dead copper, pour order 7): -3.204,63.379 68.49,63.379 68.49,-6.408 68.637,-6.555 68.492,-6.7 -3.204,-6.7 -3.204,62.79 -3.499,63.084
VCC on Bottom Layer "VCC_L02_P004" (solid, remove dead copper, pour order 4): 40.386,55.486 40.401,55.502 42.753,55.502 42.753,52.25 42.769,52.235 42.784,52.25 46.004,52.25 46.004,49.482 45.977,49.454 40.401,49.482
NetD1_1 on Bottom Layer "NETD1_1_L02_P002" (solid, remove dead copper, pour order 2): 33.406,51.552 38.43,51.587 38.466,51.552 38.466,49.218 33.406,49.218
VMAIN on Bottom Layer "VMAIN_L02_P001" (solid, remove dead copper, pour order 1): 33.465,55.463 33.465,52.638 36.619,52.647 36.619,55.463

## Keep-outs
Keep-Out Layer:
  lines w0.254: 1.894,60 57.894,60 ; 2,60 ccw(c2,58) 0,58 0,2 ccw(c2,2) 2,0 58,0 ccw(c58,2) 60,2 60,58 ccw(c58,58) 58,60

## Other copper
Top Layer:
  text "GL3520-HUB-V2020.9.6" at 4.074,53.381 h2
  text "By Geekchun" at 10.767,50.091 h2
Bottom Layer:
  text "https://github.com/geekchun/USB_HUB" at 44.263,1.546 h2

## Silkscreen, mask and mechanical layers (free items; w line width, h text height)
Top Overlay:
  text "A" at 25.475,1.3 h20.32
Top Solder:
  text "GL3520-HUB-V2020.9.6" at 4.074,53.381 h2
  text "By Geekchun" at 10.767,50.091 h2
Bottom Solder:
  text "https://github.com/geekchun/USB_HUB" at 44.263,1.546 h2
Mechanical 1:
  the board outline again, w0.254